# Altium PCB ATM1099C-0627-ssy-5.PcbDoc (part 3 of 4)
Units mm, origin at the board's own origin, x right, y up, seen from the top; angles counter-clockwise.
Board outline 134 x 90 mm, 4 copper layers (TOP, GND, POWER, BOTTOM), stack 1.562 mm thick; 290 components, 303 nets, 1209 pads, 571 vias.
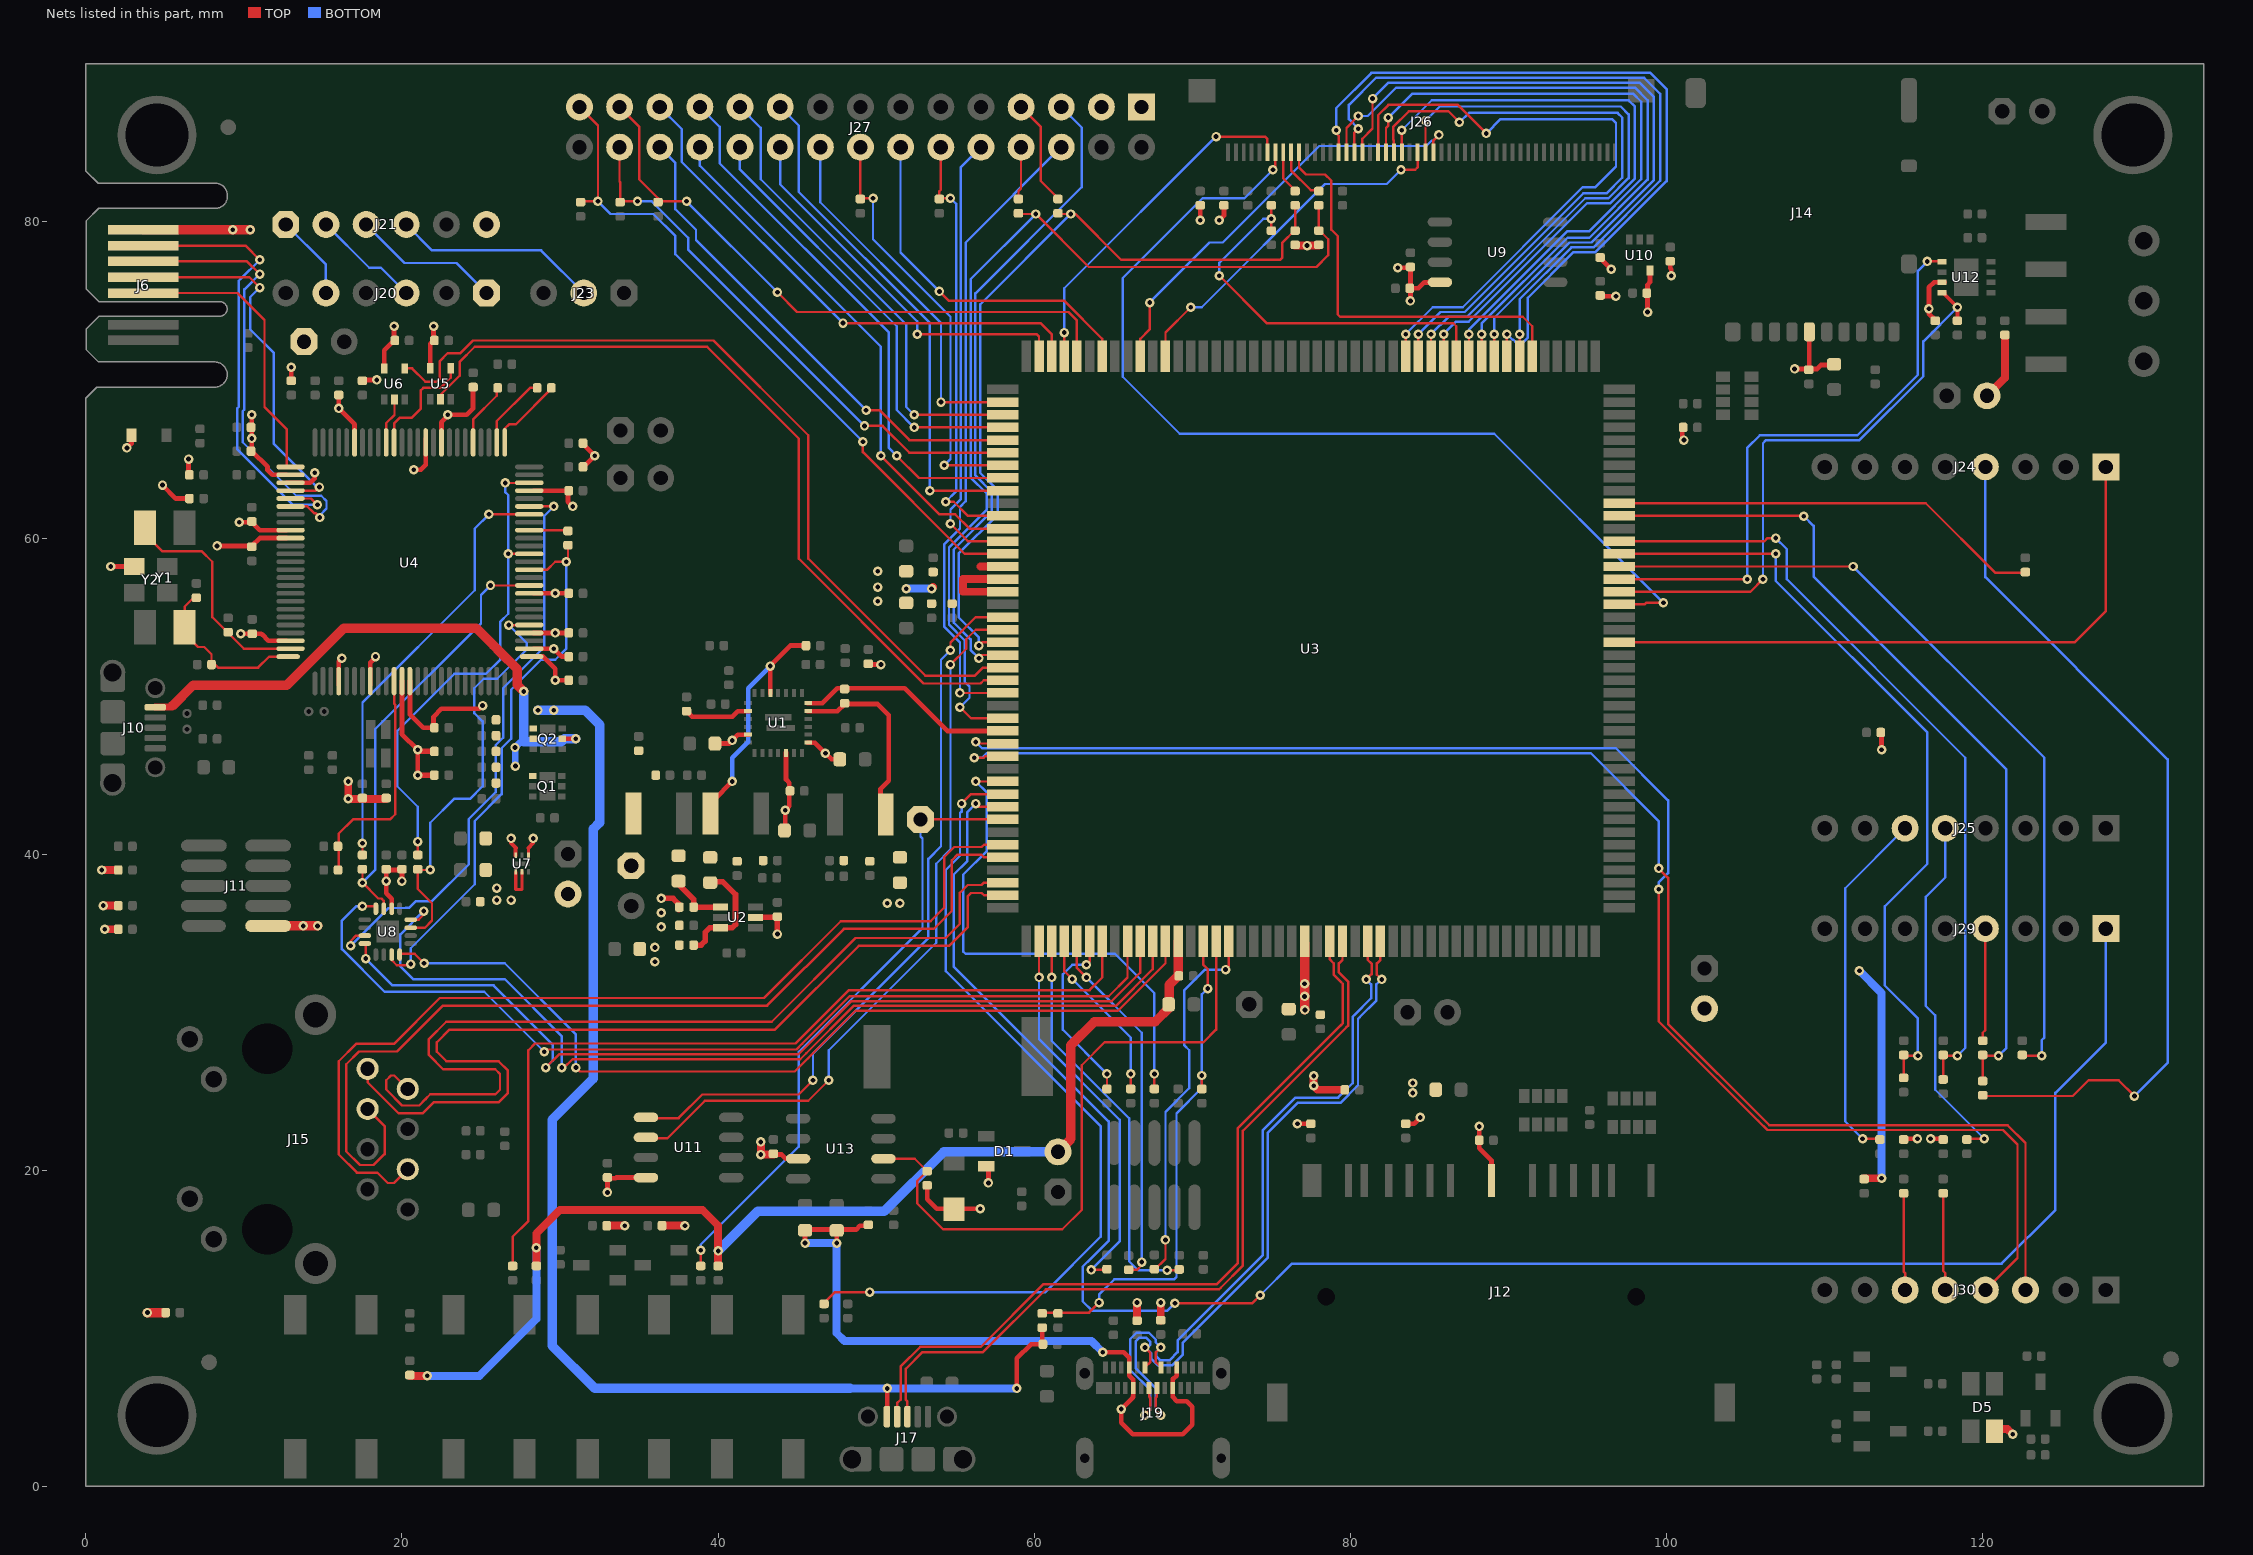
[diagram p5: the nets of this part, all layers, seen from the top]

## Via types
v1: diameter 0.6, hole 0.3, TOP to BOTTOM, tented both sides, 554 vias
v2: diameter 0.7, hole 0.3, TOP to BOTTOM, tented both sides, 17 vias

## Nets (pads, with @x,y where several pads share a name; then routed paths per layer and width w, separated by ;. In a path a pad name is that pad's centre, name@x,y a point inside that pad or via, vN(x,y) a via of type N, cw(c..) or ccw(c..) an arc to the next point about the centre after c; other vN are vias at no path point) (continued)
PB28: J26.24 U3.167 | length 27.6
  TOP w0.152: U3.167@66.7,71.5 66.7,72.6 67.298,73.198 v1(67.298,74.9) ; J26.24@85.25,84.4 85.25,85.15 v1(85.6,85.5)
  BOTTOM w0.152: v1(67.298,74.9) 71.093,78.695 71.926,78.695 78.031,84.8 84.8,84.8 85.144,85.144 85.244,85.144 v1(85.6,85.5)
PB29: J26.25 U3.144 | length 37.4
  TOP w0.152: J26.25@84.75,84.4 v1(84.75,86.4) ; U3.144@85.1,71.5 v1(85.1,72.9)
  BOTTOM w0.152: v1(84.75,86.4) 85.65,87.3 97.1,87.3 97.6,86.8 97.6,82.769 96.326,81.495 94.857,81.495 87.357,73.995 86.195,73.995 v1(85.1,72.9)
PB30: J26.26 U3.165 | length 22.7
  TOP w0.152: U3.165@68.3,71.5 68.3,73 v1(69.9,74.6) ; v1(83.2,83.3) 84.1,83.3 84.25,83.45 J26.26@84.252,84.4
  BOTTOM w0.152: v1(69.9,74.6) 70.6,74.6 78.4,82.4 82.3,82.4 v1(83.2,83.3)
PB31: J26.28 U3.143 | length 39.2
  TOP w0.152: J26.28@83.25,84.4 v1(83.25,85.8) ; U3.143@85.9,71.5 v1(85.9,72.9)
  BOTTOM w0.152: v1(83.25,85.8) 85.15,87.7 97.6,87.7 98,87.3 98,82.738 96.453,81.19 94.984,81.19 87.484,73.69 86.69,73.69 v1(85.9,72.9)
PC0: J26.29 U3.145 | length 39.4
  TOP w0.152: J26.29@82.75,84.4 82.75,85.153 82.7,85.203 82.7,86 83.7,87 86.2,87 v1(86.9,86.3) ; U3.145@84.3,71.5 v1(84.3,72.9)
  BOTTOM w0.152: v1(84.3,72.9) 85.7,74.3 87.231,74.3 94.731,81.8 96.2,81.8 97.2,82.8 97.2,86.6 96.9,86.9 87.5,86.9 v1(86.9,86.3)
PC1: J26.30 U3.141 | length 40.5
  TOP w0.152: J26.30@82.25,84.4 82.25,85.947 82.4,86.097 v1(82.4,86.6) ; U3.141@87.5,71.5 v1(87.5,72.9)
  BOTTOM w0.152: v1(82.4,86.6) 83.9,88.1 97.9,88.1 98.4,87.6 98.4,82.707 95.093,79.4 93.7,79.4 87.5,73.2 v1(87.5,72.9)
PC2: J26.31 U3.146 | length 40.7
  TOP w0.152: J26.31@81.75,84.4 81.75,86.75 82.4,87.4 86.8,87.4 v1(88.6,85.6) ; U3.146@83.5,71.5 v1(83.5,72.9)
  BOTTOM w0.152: v1(83.5,72.9) 85.205,74.605 87.105,74.605 94.7,82.2 95.498,82.2 96.8,83.502 96.8,86.248 96.548,86.5 89.5,86.5 v1(88.6,85.6)
PC3: R27.1 R28.1 U3.142 | length 25
  TOP w0.152: v1(71.702,76.6) 74.702,73.6 86.503,73.6 86.7,73.403 U3.142@86.7,71.5 ; R28.1@75,79.5 v1(75,80.2) R27.1@75,81
  BOTTOM w0.152: v1(71.702,76.6) 71.702,77.406 74.497,80.2 v1(75,80.2)
PC4: J26.41 U3.136 | length 26.5
  TOP w0.152: J26.41@76.75,84.4 76.75,83.439 77.189,83 78.4,83 78.8,82.6 78.8,79.5 79.2,79.1 79.2,74.152 79.352,74 90.9,74 91.5,73.4 U3.136@91.5,71.5
PC5: J26.34 U3.137 | length 45.3
  TOP w0.152: J26.34@80.252,84.4 80.25,85.65 v1(80.5,85.9) ; U3.137@90.7,71.5 v1(90.7,72.9)
  BOTTOM w0.152: v1(80.5,85.9) 79.9,86.5 79.9,87.4 81.619,89.119 98.581,89.119 99.6,88.1 99.6,82.613 95.377,78.39 93.984,78.39 90.7,75.107 v1(90.7,72.9)
PC6: J26.35 U3.140 | length 43.4
  TOP w0.152: J26.35@79.75,84.4 79.75,85.95 v1(80.5,86.7) ; U3.140@88.3,71.5 v1(88.3,72.9)
  BOTTOM w0.152: v1(80.5,86.7) 81.1,86.7 82.9,88.5 98,88.5 98.8,87.7 98.8,82.676 95.124,79 93.731,79 88.3,73.569 v1(88.3,72.9)
PC7: J26.33 U3.139 | length 43.7
  TOP w0.152: J26.33@80.752,84.4 80.75,85.25 81.4,85.9 v1(81.4,87.8) ; U3.139@89.1,71.5 v1(89.1,72.9)
  BOTTOM w0.152: v1(81.4,87.8) 82.414,88.814 98.286,88.814 99.2,87.9 99.2,82.645 95.251,78.695 93.857,78.695 89.1,73.938 v1(89.1,72.9)
PC8: J26.36 U3.138 | length 48.4
  TOP w0.152: v1(79.1,85.8) 79.1,85.6 79.25,85.45 J26.36@79.25,84.4 ; U3.138@89.9,71.5 v1(89.9,72.9)
  BOTTOM w0.152: v1(79.1,85.8) 79.1,87.2 81.324,89.424 98.976,89.424 100,88.4 100,82.582 95.503,78.086 94.11,78.086 91.229,75.204 91.229,72.681 90.919,72.371 90.481,72.371 90.308,72.544 90.256,72.544 v1(89.9,72.9)
PC9: J27.18 U3.2 | length 23.2
  TOP w0.152: v1(54.1,68.6) U3.2@58,68.6
  BOTTOM w0.152: J27.18@46.46,84.73 46.46,81.24 54.1,73.6 v1(54.1,68.6)
PC10: J27.19 U3.9 | length 32.8
  TOP w0.152: v1(53.4,63) U3.9@58,63
  BOTTOM w0.152: J27.19@43.92,87.27 45.1,86.09 45.1,81.9 53.4,73.6 v1(53.4,63)
PC11: J27.20 U3.175 | length 24.4
  TOP w0.152: v1(52.6,72.9) 60.148,72.9 60.3,72.748 U3.175@60.3,71.5
  BOTTOM w0.152: J27.20@43.92,84.73 43.92,82.383 52.6,73.703 v1(52.6,72.9)
PC12: J27.21 U3.3 | length 29.6
  TOP w0.152: v1(52.4,67.8) U3.3@58,67.8
  BOTTOM w0.152: J27.21@41.38,87.27 42.7,85.95 42.7,82.7 51.9,73.5 51.9,68.3 v1(52.4,67.8)
PC13: J27.22 U3.4 | length 27.9
  TOP w0.152: v1(52.4,67) U3.4@58,67
  BOTTOM w0.152: J27.22@41.38,84.73 41.38,83.32 51.3,73.4 51.3,68.1 v1(52.4,67)
PC14: J27.23 U3.8 | length 34.5
  TOP w0.152: v1(51.3,65.2) 52.7,63.8 U3.8@58,63.8
  BOTTOM w0.152: J27.23@38.84,87.27 40.1,86.01 40.1,83.7 50.8,73 50.8,65.7 v1(51.3,65.2)
PC15: J27.24 U3.12 | length 33.9
  TOP w0.152: v1(50.3,65.2) 54,61.5 55,61.5 55.9,60.6 U3.12@58,60.6
  BOTTOM w0.152: J27.24@38.84,84.73 38.84,83.56 50.3,72.1 v1(50.3,65.2)
PC16: J27.25 U3.174 | length 33.4
  TOP w0.152: v1(47.9,73.6) 60.4,73.6 61.1,72.9 U3.174@61.1,71.5
  BOTTOM w0.152: J27.25@36.3,87.27 37.7,85.87 37.7,83.8 v1(47.9,73.6)
PC17: J27.26 U3.5 | length 31.5
  TOP w0.152: v1(49.36,68.093) 50.207,68.093 52.1,66.2 U3.5@58,66.2
  BOTTOM w0.152: J27.26@36.3,84.73 36.304,84.726 37.3,83.73 37.3,80.8 38.6,79.5 38.6,78.852 v1(49.36,68.093)
PC18: J27.27 R82.1 U3.172 | length 38.9
  TOP w0.152: J27.27@33.76,87.27 35,86.03 35,82.7 36.2,81.5 36.2,81.3 v1(38,81.3) ; v1(43.75,75.55) 45,74.3 62.172,74.3 62.7,73.772 U3.172@62.7,71.5
  BOTTOM w0.152: v1(38,81.3) v1(43.75,75.55)
PC19: J27.28 R84.1 U3.6 | length 34.7
  TOP w0.152: J27.28@33.76,84.73 33.76,82.54 33.8,82.5 33.8,81.3 v1(34.9,81.3) ; v1(49.26,67.092) 50.407,67.092 52.1,65.4 U3.6@58,65.4
  BOTTOM w0.152: v1(34.9,81.3) 35.8,81.3 38.1,79 38.1,78.252 v1(49.26,67.092)
PC20: J27.29 R86.1 U3.14 | length 43.5
  TOP w0.152: J27.29@31.22,87.27 32.4,86.09 v1(32.4,81.3) R86.1@31.3,81.3 ; v1(49.16,66.092) 49.16,65.44 55.6,59 U3.14@58,59
  BOTTOM w0.152: v1(32.4,81.3) 33.2,80.5 35.9,80.5 37.3,79.1 37.3,77.952 v1(49.16,66.092)
PC21: J27.16 R87.1 U3.7 | length 26.8
  TOP w0.152: J27.16@49,84.73 49,81.5 v1(49.8,81.5) ; v1(54.3,64.6) U3.7@58,64.6
  BOTTOM w0.152: v1(49.8,81.5) 49.8,78.9 54.7,74 54.7,65 v1(54.3,64.6)
PC22: J27.12 R88.1 U3.11 | length 27.6
  TOP w0.152: J27.12@54.08,84.73 54.08,82.033 54,81.953 54,81.5 v1(54.7,81.5) ; v1(54.4,62.3) 54.903,62.3 55.803,61.4 U3.11@58,61.4
  BOTTOM w0.152: v1(54.4,62.3) 55.056,62.956 55.056,81.144 v1(54.7,81.5)
PC23: J27.14 U3.170 | length 22.8
  TOP w0.152: v1(54,75.6) 54.6,75 61.903,75 64.3,72.603 U3.170@64.3,71.5
  BOTTOM w0.152: J27.14@51.54,84.73 51.54,78.06 v1(54,75.6)
PC24: J27.10 U3.13 | length 28.4
  TOP w0.152: v1(54.7,60.9) 55.8,59.8 U3.13@58,59.8
  BOTTOM w0.152: v1(54.7,60.9) 54.7,61.8 55.361,62.461 55.361,83.471 J27.10@56.62,84.73
PC25: J26.45 U3.173 | length 22
  TOP w0.152: U3.173@61.9,71.5 v1(61.9,73) ; v1(71.5,85.4) 74.598,85.4 74.75,85.248 J26.45@74.75,84.4
  BOTTOM w0.152: v1(61.9,73) 61.9,75.8 v1(71.5,85.4)
PC26: U3.115 U12.1 | length 37.6
  TOP w0.152: U3.115@97,57.4 v1(105.1,57.4) ; v1(116.5,77.5) 117.575,77.5 U12.1@117.6,77.475
  BOTTOM w0.152: v1(105.1,57.4) 105.1,65.7 105.905,66.505 112.079,66.505 115.9,70.326 115.9,76.9 v1(116.5,77.5)
PC27: C62.1 U3.114 U12.4 | length 37.2
  TOP w0.152: U3.114@97,56.6 105.3,56.6 v1(106.1,57.4)
  TOP w0.25: U12.4@117.6,75.525 117.6,75.4 v1(118.4,74.6) C62.1@118.4,73.8
  BOTTOM w0.152: v1(106.1,57.4) 106.1,66 106.3,66.2 112.205,66.2 116.244,70.239 116.244,72.444 v1(118.4,74.6)
PC28: R105.1 R106.1 U3.117 | length 49.9
  TOP w0.152: U3.117@97,59 v1(106.9,59) ; R105.1@115,25.9 115,27.25 v1(115.9,27.25)
  BOTTOM w0.152: v1(106.9,59) 106.9,57.3 116.5,47.7 116.5,39.4 113.8,36.7 113.8,31.7 115.9,29.6 v1(115.9,27.25)
PC29: R103.1 R104.1 U3.118 | length 50.3
  TOP w0.152: U3.118@97,59.8 106.197,59.8 106.397,60 v1(106.9,60) ; R103.1@117.5,25.8 117.5,27.25 v1(118.4,27.25)
  BOTTOM w0.152: v1(106.9,60) 107.6,59.3 107.6,57.4 118.9,46.1 118.9,27.75 v1(118.4,27.25)
PC30: R98.1 R100.1 U3.120 | length 53.9
  TOP w0.152: U3.120@97,61.4 108.668,61.4 v1(108.683,61.386) ; R98.1@120,25.7 120,27.25 v1(121,27.25)
  BOTTOM w0.152: v1(108.683,61.386) 109.3,60.768 109.3,57.569 121.5,45.369 121.5,27.75 v1(121,27.25)
PC31: R107.1 U3.116 | length 52.1
  TOP w0.152: U3.116@97,58.2 v1(111.8,58.2) ; R107.1@122.5,27.25 v1(123.729,27.25)
  BOTTOM w0.152: v1(111.8,58.2) 123.9,46.1 123.9,28.4 123.729,28.229 v1(123.729,27.25)
PD0: R108.1 U3.121 | length 27.5
  TOP w0.152: U3.121@97,62.2 116.4,62.2 120.8,57.8 R108.1@122.7,57.8
PD1: J26.44 U3.113 | length 62.7
  TOP w0.152: v1(75.1,83.3) 75.25,83.45 J26.44@75.25,84.4 ; U3.113@97,55.8 98.597,55.8 98.697,55.9 v1(99.8,55.9)
  BOTTOM w0.152: v1(75.1,83.3) 73.3,81.5 70.652,81.5 65.6,76.448 65.6,70.2 69.2,66.6 89.1,66.6 v1(99.8,55.9)
PD2: U3.23 U6.4 | length 53.4
  TOP w0.152: U6.4@20.175,70.73 20.645,70.73 21.475,69.9 22.2,69.9 22.4,70.1 22.4,71.2 22.9,71.7 23.7,71.7 24.5,72.5 39.7,72.5 45.7,66.5 45.7,58.7 53.1,51.3 56.25,51.3 56.75,51.8 U3.23@58,51.8
PD3: U3.24 U5.2 | length 50.9
  TOP w0.152: U5.2@22.44,68.813 22.44,69.061 23.643,70.265 23.643,71.143 24.6,72.1 39.3,72.1 45.1,66.3 45.1,58.7 53,50.8 56.6,50.8 56.8,51 U3.24@58,51
PD4: R93.2 R97.1 R101.1 U3.27 | length 62.8
  TOP w0.152: v1(55.3,49.3) 56,48.6 U3.27@58,48.6 ; R101.1@59,80.5 v1(60.1,80.5) 63.45,77.15 77.85,77.15 78.6,77.9 78.6,78.9 78,79.5 R97.1@78,81
  BOTTOM w0.152: v1(55.3,49.3) 55.9,49.9 55.9,50.6 55.605,50.895 55.605,53.526 54.605,54.526 54.605,59.405 57,61.8 57,62.8 55.97,63.83 55.97,76.37 v1(60.1,80.5)
PD5: R92.2 R99.1 R102.1 U3.21 | length 52.3
  TOP w0.152: v1(56.5,53.2) 56.7,53.4 U3.21@58,53.4 ; R102.1@61.5,80.5 v1(62.3,80.5) 62.6,80.5 65.5,77.6 75.548,77.6 75.7,77.752 75.7,78.7 76.475,79.475 76.5,79.5 R99.1@76.5,81
  BOTTOM w0.152: v1(56.5,53.2) 56.5,53.705 55.214,54.99 55.214,59.014 57.7,61.5 57.7,63 56.58,64.12 56.58,74.78 v1(62.3,80.5)
PD6: J27.5 U3.22 | length 41.9
  TOP w0.152: v1(56.5,52.4) 56.7,52.6 U3.22@58,52.6
  BOTTOM w0.152: v1(56.5,52.4) 55.971,52.929 55.971,53.591 54.91,54.653 54.91,59.278 57.305,61.674 57.305,62.926 56.275,63.956 56.275,75.475 63,82.2 63,85.97 J27.5@61.7,87.27
PD7: J27.6 U3.25 | length 40.7
  TOP w0.152: v1(55.3,50.2) U3.25@58,50.2
  BOTTOM w0.152: v1(55.3,50.2) 55.3,53.4 54.3,54.4 54.3,59.6 55.3,60.6 55.3,61.969 55.665,62.334 55.665,78.695 J27.6@61.7,84.73
PD8: R13.2 U1.13 U3.28 | length 13.9
  TOP w0.3: U1.13@45.65,49.55 46.6,49.55 47.55,50.5 51.8,50.5 54.5,47.8 U3.28@58,47.8
PD19: R138.2 U3.58 U13.2 | length 41.2
  TOP w0.152: U13.2@50.46,20.738 52.437,20.738 53.2,19.975 53.25,19.975 52.6,19.325 52.6,17.9 54.225,16.275 61.775,16.275 63,17.5 63,26.648 64.452,28.1 70.7,28.1 71.5,28.9 U3.58@71.5,34.5
PD20: C12.1 R70.2 R71.1 U3.57 | length 32.7
  TOP w0.152: R70.2@60.5,11 63.467,11 v1(64.1,11.633) ; R71.1@70.6,25.2 v1(70.6,26) ; U3.57@70.7,34.5 70.7,33 70.971,32.729 v1(70.971,31.5)
  BOTTOM w0.152: v1(64.1,11.633) 64.1,12.137 65.063,13.1 68.848,13.1 69,13.252 69,23.6 70.6,25.2 v1(70.6,26) 70.6,31.129 v1(70.971,31.5)
PD21: U3.19 U11.5 | length 46.8
  TOP w0.152: U11.5@35.494,23.3 37.5,23.3 39,24.8 45.1,24.8 v1(46,25.7) ; v1(54.7,52.9) 54.7,53.403 56.297,55 U3.19@58,55
  BOTTOM w0.152: v1(46,25.7) 46,27.4 53.3,34.7 53.3,39.7 54.1,40.5 54.1,52.3 v1(54.7,52.9)
PD22: U3.20 U11.6 | length 47.1
  TOP w0.152: U11.6@35.494,22.03 36.797,22.03 39.167,24.4 45.7,24.4 v1(47,25.7) ; v1(54.7,52) 55.7,53 55.7,53.6 56.3,54.2 U3.20@58,54.2
  BOTTOM w0.152: v1(47,25.7) 47,27.6 53.8,34.4 53.8,39.4 54.7,40.3 v1(54.7,52)
PD23: J30.3 U3.30 | length 95.2
  TOP w0.152: v1(56.2,46.1) 56.797,46.1 56.897,46.2 U3.30@58,46.2 ; v1(99.5,39.1) 100.1,38.5 100.1,29.262 106.507,22.855 121.575,22.855 122.71,21.72 J30.3@122.71,12.43
  BOTTOM w0.152: v1(56.2,46.1) 56.703,46.1 56.998,46.395 95.205,46.395 99.5,42.1 v1(99.5,39.1)
PD24: J30.4 U3.29 | length 97.3
  TOP w0.152: v1(56.3,47.1) 56.4,47 U3.29@58,47 ; v1(99.5,37.775) 99.5,29.435 105.802,23.132 106.385,22.55 121.28,22.55 122.2,21.63 122.2,14.46 J30.4@120.17,12.43
  BOTTOM w0.152: v1(56.3,47.1) 56.7,46.7 96.8,46.7 100.1,43.4 100.1,38.8 99.5,38.2 v1(99.5,37.775)
PD25: J24.1 U3.110 | length 40.7
  TOP w0.152: U3.110@97,53.4 125.8,53.4 127.79,55.39 J24.1@127.79,64.5
PD26: J29.1 U3.34 | length 122.1
  TOP w0.152: v1(56.3,43.2) 56.5,43 U3.34@58,43 ; v1(68.9,11.6) 73.8,11.6 v1(74.3,12.1)
  BOTTOM w0.152: v1(56.3,43.2) 55.771,42.671 55.771,39.571 54.9,38.7 54.9,32.9 64.7,23.1 64.7,15.529 63.4,14.229 63.381,14.229 63.071,13.919 63.071,11.707 63.674,11.105 68.405,11.105 v1(68.9,11.6) ; v1(74.3,12.1) 76.3,14.1 121.2,14.1 124.6,17.5 124.6,24.9 127.79,28.09 J29.1@127.79,35.29
PD27: U3.53 U8.12 | length 61.1
  TOP w0.152: U8.12@20.5,35.85 21.05,35.85 21.371,36.171 v1(21.371,36.4) ; v1(30.1,26.5) 30.256,26.5 30.785,27.029 45.198,27.029 45.574,27.405 48.574,30.405 65.174,30.405 67.5,32.731 U3.53@67.5,34.5
  BOTTOM w0.152: v1(21.371,36.4) 19.9,34.929 19.9,32.9 20.7,32.1 26.5,32.1 30.1,28.5 v1(30.1,26.5)
PD28: U3.51 U8.16 | length 61.2
  TOP w0.152: v1(17.5,36.7) 18.35,36.7 U8.16@18.35,36.55 U8.16@18.35,36.5 ; v1(29,27.5) 29.147,27.647 44.953,27.647 45.321,28.014 48.321,31.014 64.714,31.014 65.9,32.2 U3.51@65.9,34.5
  BOTTOM w0.152: v1(17.5,36.7) 17.1,36.7 16.2,35.8 16.2,33.997 18.897,31.3 25.2,31.3 v1(29,27.5)
PD29: U3.52 U8.4 | length 58.8
  TOP w0.152: v1(17.7,33.4) U8.4@17.7,34.35 ; v1(29.1,26.5) 29.932,27.332 45.07,27.332 48.447,30.71 64.9,30.71 66.7,32.51 U3.52@66.7,34.5
  BOTTOM w0.152: v1(17.7,33.4) 19.398,31.702 25.798,31.702 29.529,27.971 29.529,26.929 v1(29.1,26.5)
PD30: U3.54 U8.8 | length 57
  TOP w0.152: U8.8@19.85,33.7 20.8,33.7 v1(21.4,33.1) ; v1(31.003,26.503) 31.257,26.25 44.85,26.25 45.7,27.1 48.7,30.1 65.3,30.1 68.3,33.1 U3.54@68.3,34.5
  BOTTOM w0.152: v1(21.4,33.1) 26.5,33.1 31.003,28.597 v1(31.003,26.503)
PIOBU1: R72.1 U3.33 | length 54
  TOP w0.152: R72.1@46.7,11.6 47.4,12.3 v1(49.6,12.3) ; v1(55.4,43.2) 56,43.8 U3.33@58,43.8
  BOTTOM w0.152: v1(49.6,12.3) 60.7,12.3 64.2,15.8 64.2,22.8 54.4,32.6 54.4,39 55.3,39.9 55.3,42.597 55.4,42.697 v1(55.4,43.2)
PIOBU2: R110.1 U3.44 | length 24.7
  TOP w0.152: v1(60.3,32.2) U3.44@60.3,34.5 ; v1(63.6,13.7) R110.1@64.6,13.7
  BOTTOM w0.152: v1(60.3,32.2) 60.3,28.3 65.4,23.2 65.4,15.5 v1(63.6,13.7)
PIOBU3: R111.2 U3.48 | length 11.7
  TOP w0.152: v1(63.3,33) 63.5,33.2 U3.48@63.5,34.5 ; R111.2@64.6,25.2 v1(64.6,26.1)
  BOTTOM w0.152: v1(63.3,33) 62.4,33 61.808,32.408 61.808,28.892 v1(64.6,26.1)
PIOBU4: R112.1 U3.47 | length 23
  TOP w0.152: U3.47@62.7,34.5 62.7,32.803 v1(63.302,32.202) ; R112.1@66.1,13.7 66.502,13.7 66.8,13.998 v1(66.8,14.2)
  BOTTOM w0.152: v1(63.302,32.202) 66.8,28.703 v1(66.8,14.2)
PIOBU5: R113.2 U3.46 | length 11
  TOP w0.152: U3.46@61.9,34.5 61.9,32.6 v1(62.4,32.1) ; R113.2@66.1,25.2 v1(66.1,26.1)
  BOTTOM w0.152: v1(62.4,32.1) 66.1,28.4 v1(66.1,26.1)
PIOBU6: R114.1 U3.59 | length 23.8
  TOP w0.152: R114.1@67.6,13.7 67.625,13.725 68.3,14.4 v1(68.3,15.6) ; v1(72.1,32.7) 72.3,32.9 U3.59@72.3,34.5
  BOTTOM w0.152: v1(68.3,15.6) 68.3,23.7 69.8,25.2 69.8,27.6 69.5,27.9 69.5,31.4 70.8,32.7 v1(72.1,32.7)
PIOBU7: R116.1 U3.45 | length 25.7
  TOP w0.152: v1(61.1,32.2) U3.45@61.1,34.5 ; v1(68.4,13.676) 69.116,13.676 R116.1@69.172,13.732
  BOTTOM w0.152: v1(61.1,32.2) 61.1,28.2 66,23.3 66,14.252 66.581,13.671 67.019,13.671 67.024,13.676 v1(68.4,13.676)
PMOD_1: J20.5 J21.1 | length 5.4
  BOTTOM w0.152: J21.1@12.65,79.84 15.19,77.3 J20.5@15.19,75.5
PMOD_2: J20.3 J21.2 | length 6.9
  BOTTOM w0.152: J21.2@15.19,79.84 17.93,77.1 18.67,77.1 J20.3@20.27,75.5
PMOD_3: J20.1 J21.3 | length 9.4
  BOTTOM w0.152: J21.3@17.73,79.84 20.17,77.4 23.45,77.4 J20.1@25.35,75.5
PMOD_4: J21.4 J23.2 | length 13
  BOTTOM w0.152: J21.4@20.27,79.84 21.91,78.2 28.8,78.2 J23.2@31.5,75.5
RTCK_IN: R50.1 R120.1 U4.86 | length 14.6
  TOP w0.152: R120.1@16,39 16,41.3 16.9,42.2 19.247,42.2 19.576,42.529 19.576,48.624 19.575,48.625 19.575,49.45 19.5,49.525 U4.86@19.5,50.7
RX_3U: U4.40 U5.4 | length 7
  TOP w0.152: U4.40@19.5,66.3 19.5,67.253 19.847,67.6 20.6,67.6 21.2,68.2 21.2,69.348 21.352,69.5 22.447,69.5 23.09,70.142 U5.4@23.09,70.713
RX_N: J15.6 U3.37 | length 60.9
  TOP w0.15: J15.6@20.365,20.07 19.495,19.2 19.095,19.2 18.44,19.856 17.144,19.856 15.997,21.003 15.997,26.905 17.092,28 19.489,28 22.392,30.903 42.903,30.903 47.756,35.756 53.444,35.756 54.297,36.608 54.297,39.808 54.94,40.451 56.67,40.451 56.819,40.6 U3.37@58,40.6
RX_P: J15.3 U3.38 | length 60.8
  TOP w0.15: J15.3@17.825,23.88 18.9,22.805 18.9,21.027 18.209,20.335 17.343,20.335 16.477,21.202 16.477,26.707 17.29,27.52 19.687,27.52 22.59,30.423 43.102,30.423 47.954,35.276 53.643,35.276 54.777,36.41 54.777,39.61 55.139,39.971 56.647,39.971 56.819,39.8 U3.38@58,39.8
RXD: R115.2 U3.32 | length 32.6
  TOP w0.152: v1(56.3,44.6) U3.32@58,44.6 ; R115.2@67.6,25.2 v1(67.6,26.1)
  BOTTOM w0.152: v1(56.3,44.6) 57,43.9 57,40.2 55.5,38.7 55.5,33.852 55.652,33.7 65.1,33.7 67.6,31.2 v1(67.6,26.1)
SHDN: J32.1 R127.1 U3.35 | length 39.6
  TOP w0.152: R127.1@38.725,13.775 R127.1@38.9,13.95 v1(38.9,14.95) ; J32.1@52.8,42.2 U3.35@58,42.2
  BOTTOM w0.152: v1(38.9,14.95) 38.9,15.3 45.1,21.5 45.1,27.5 52.929,35.329 52.929,40.993 52.8,41.122 J32.1@52.8,42.2
SPCK_MBUS1: J24.4 R98.2 | length 55.9
  TOP w0.152: R98.2@120,24.7 125.7,24.7 126.7,25.7 128.6,25.7 v1(129.6,24.7)
  BOTTOM w0.152: J24.4@120.17,64.5 120.17,57.53 131.7,46 131.7,26.8 v1(129.6,24.7)
SPCK_MBUS2: J29.4 R100.2 | length 7.1
  TOP w0.152: R100.2@120,28.25 120,28.703 120.17,28.873 J29.4@120.17,35.29
TCK_3U: J6.12 U4.56 | length 29.2
  TOP w0.152: J6.12@3.625,77.5 10.197,77.5 v1(10.998,76.698) ; U4.56@12.7,62 U4.56@12.95,62 14.006,62 14.432,61.574 14.526,61.574 v1(14.8,61.3)
  BOTTOM w0.152: v1(10.998,76.698) 10.029,75.729 10.029,68.143 9.924,68.039 9.924,66.061 13.309,62.676 14.889,62.676 15.226,62.339 15.226,61.861 14.8,61.435 v1(14.8,61.3)
TCK_IN: R45.1 U4.5 U8.11 | length 27.5
  TOP w0.152: U8.11@20.5,35.35 U8.11@20.55,35.35 21.45,35.35 21.9,35.8 21.9,36.897 21,37.797 21,39 21.776,39 v1(21.788,39.012) ; v1(26.754,54.492) 28.042,54.492 U4.5@28.05,54.5 U4.5@28.3,54.5
  BOTTOM w0.152: v1(21.788,39.012) 21.788,41.988 23.3,43.5 24.3,43.5 25.1,44.3 25.1,48.4 24.571,48.929 24.571,50.503 25.169,51.1 25.174,51.095 26.026,51.095 27.9,52.969 27.9,53.346 v1(26.754,54.492)
TCK_OUT: R45.2 U4.14 U4.23 | length 31.3
  TOP w0.152: R45.2@21,40 v1(21,40.8) ; v1(26.525,63.484) 28.034,63.484 U4.23@28.05,63.5 U4.23@28.3,63.5 ; v1(26.726,59) U4.14@28.05,59
  BOTTOM w0.152: v1(21,40.8) 21,43 19.7,44.3 19.7,47.8 23.305,51.405 25.295,51.405 25.3,51.4 26.228,52.328 26.228,54.71 26.726,55.209 v1(26.726,59) 26.726,62.718 26.525,62.919 v1(26.525,63.484)